# Altium PCB intPCB1.PcbDoc (part 2 of 3)
Units mil, origin at the board's own origin, x right, y up, seen from the top; angles counter-clockwise.
Board outline 10495 x 8000 mil, 4 copper layers (Top Layer, 5V, GND, Bottom Layer), stack 23.756 mil thick; 185 components, 89 nets, 720 pads, 479 vias.
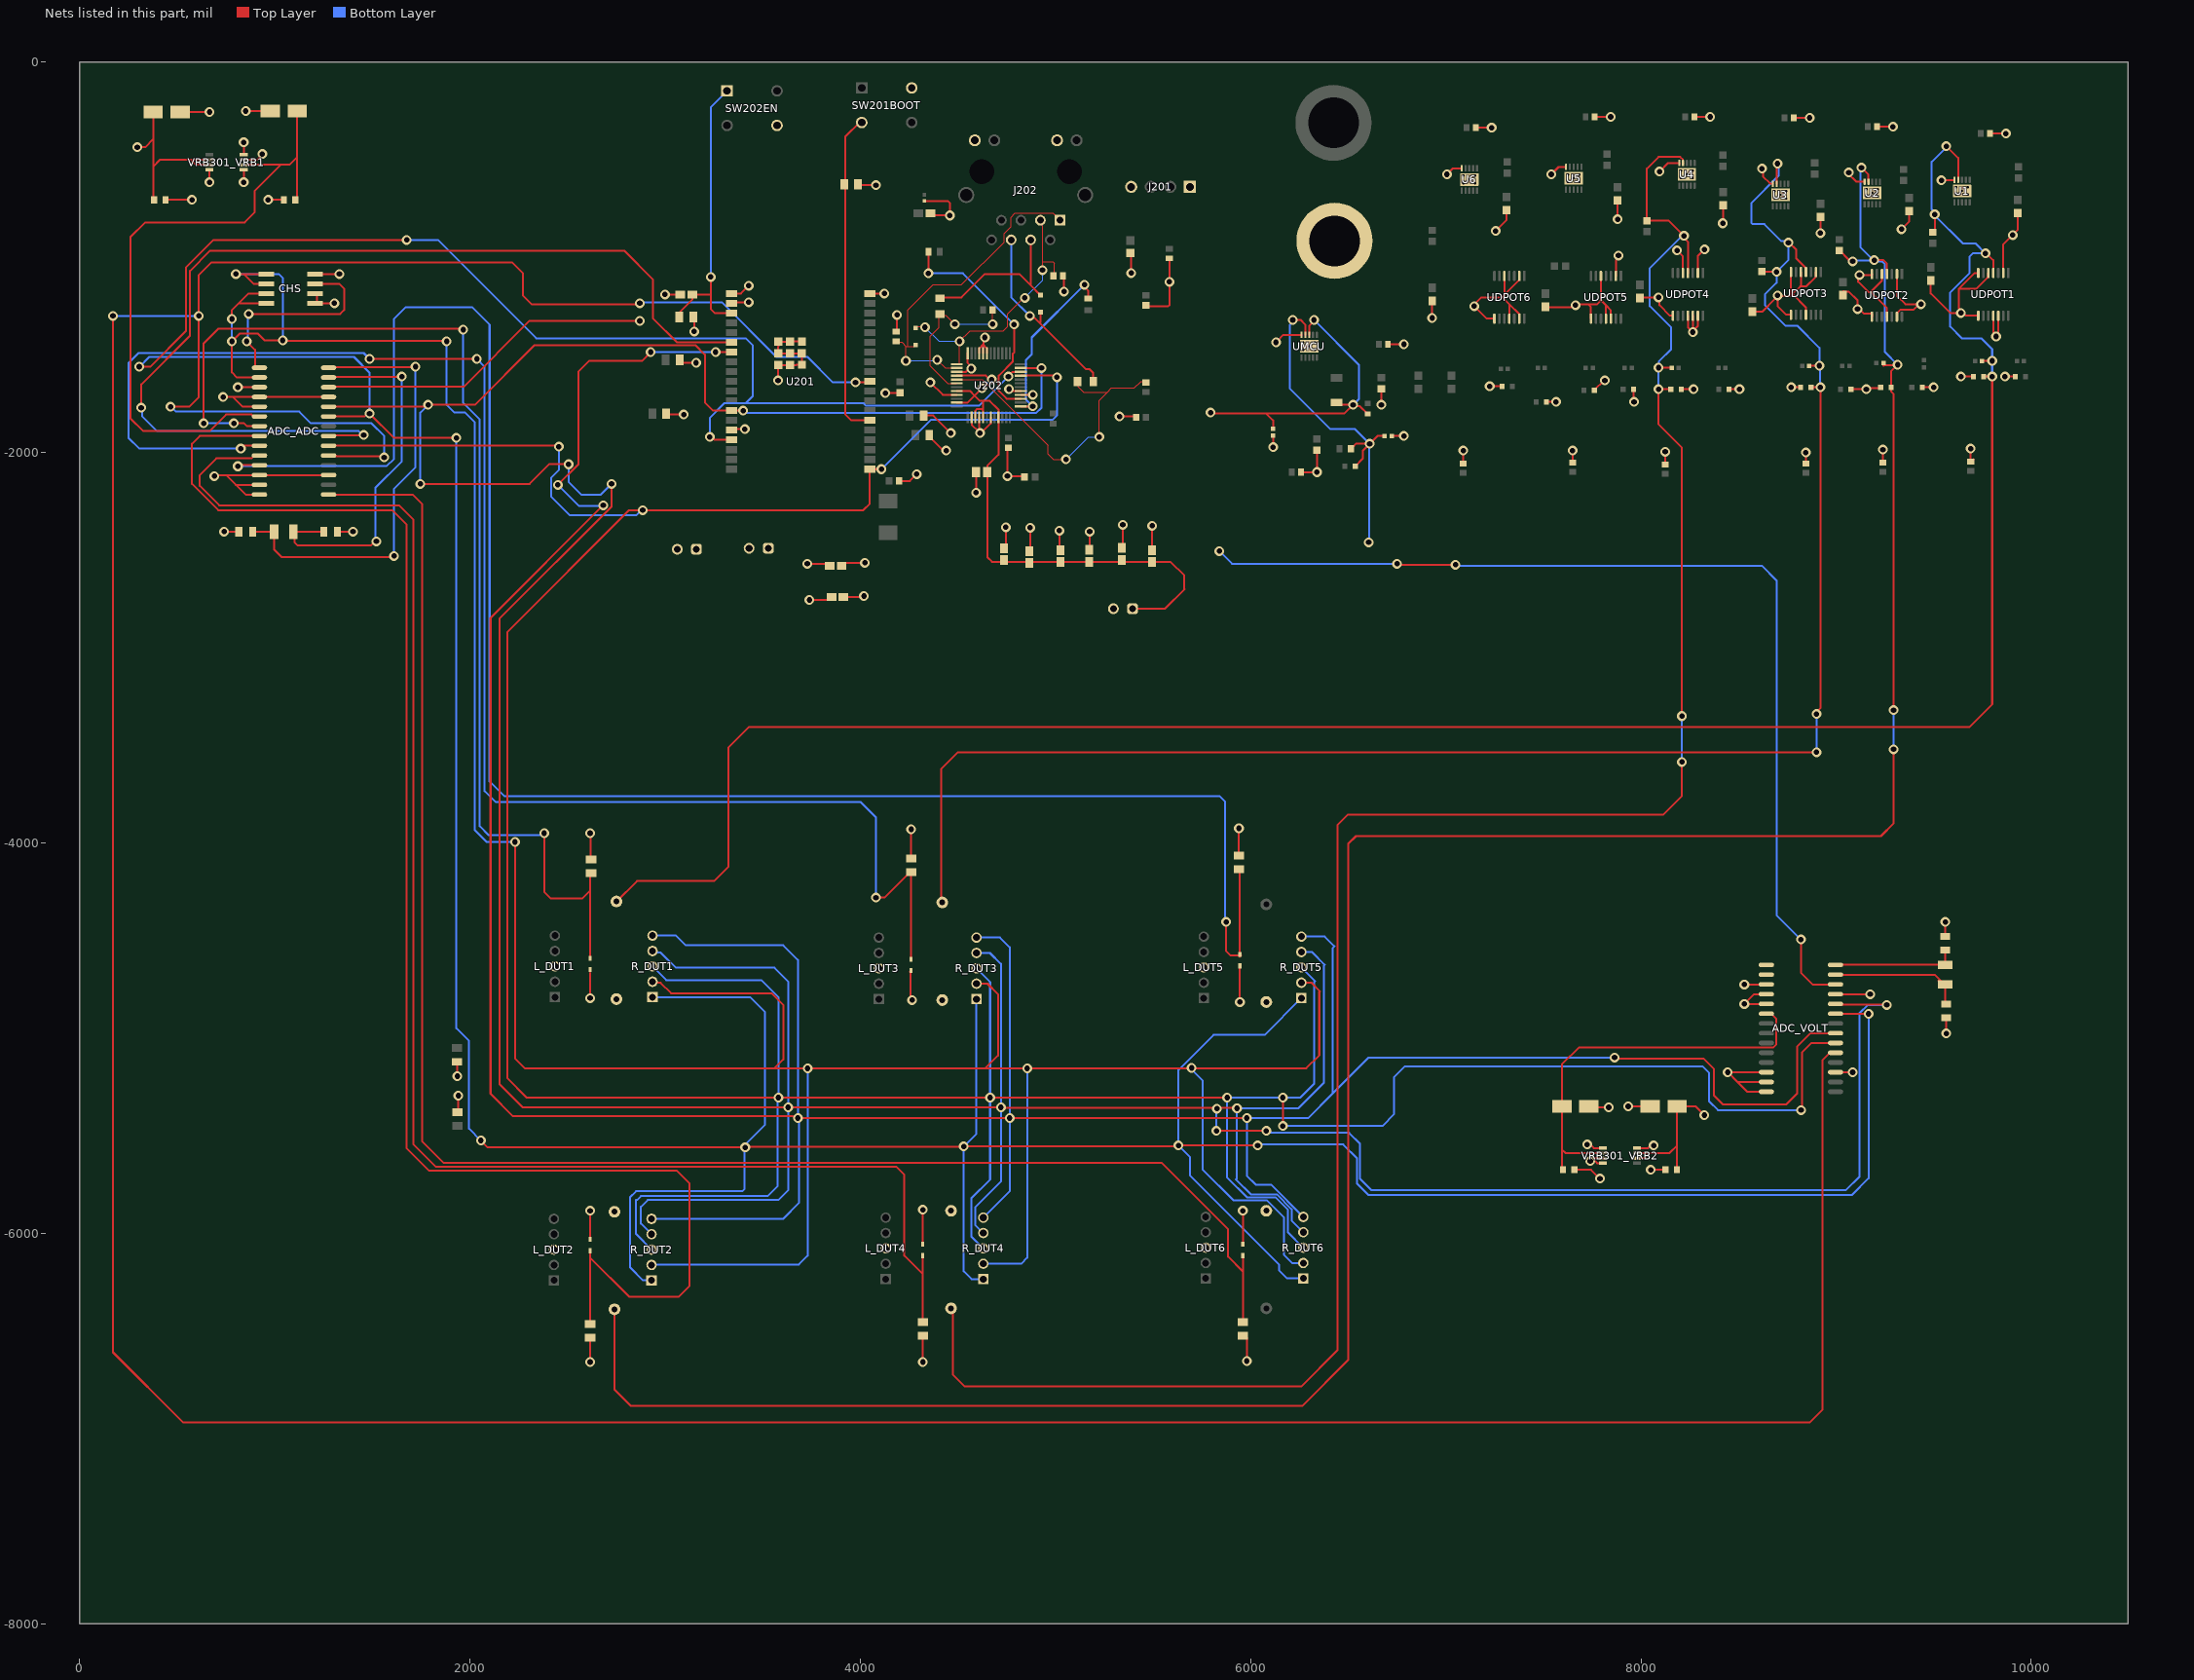
[diagram p4: the nets of this part, all layers, seen from the top]

## Via types
v1: diameter 50, hole 28, Top Layer to Bottom Layer, 444 vias
v2: diameter 19.68, hole 11.81, Top Layer to Bottom Layer, 35 vias

## Nets (pads, with @x,y where several pads share a name; then routed paths per layer and width w, separated by ;. In a path a pad name is that pad's centre, name@x,y a point inside that pad or via, vN(x,y) a via of type N, cw(c..) or ccw(c..) an arc to the next point about the centre after c; other vN are vias at no path point)
3V3: ADC_ADC.26 ADC_VOLT.26 C201.1 C202.1 C204.1 C206.1 Cfb7a.1 Cout7a.1 FB201.1 J201.4 J202.10 J202.12 R101.1 R201.2 R202.2 R203.2 R204.2 R210.1 R211.2 R212.2 U201.2 U202.28 U202.43 U202.44 U202.45 UMCU.3 | length 9907.7
  Top Layer w10: ADC_ADC.26@1275,-1665 1277.5,-1662.5 1967.5,-1662.5 2305,-1325 v1(2870,-1325) ; R202.2@3005.43,-1800 3010.43,-1805 v1(3095,-1805) ; R201.2@3073.77,-1525 3073.77,-1525.31 3088.46,-1540 v1(3158.34,-1540) ; R204.2@3143.34,-1305 3148.34,-1310 v1(3148.34,-1379) ; U201.2@3339.68,-1235 3344.68,-1230 v1(3428.34,-1230) ; v1(3728.34,-2570) 3832.75,-2570 C204.1@3842.75,-2580 ; v1(3738.34,-2755) 3794.57,-2755 3794.64,-2754.92 3837.24,-2754.92 C206.1@3852.16,-2740 ; R203.2@3988.34,-625 3993.34,-630 v1(4080,-630) ; R212.2@4183.34,-1380.39 4188.34,-1375.39 v1(4188.34,-1295) ; v1(4593.34,-2205) FB201.1@4593.34,-2100 ; U202.45@4609.13,-1490.43 4609.13,-1465.24 4628.81,-1445.55 ; U202.44@4628.81,-1490.43 4628.81,-1445.55 ; U202.43@4648.5,-1490.43 4648.5,-1465.24 4628.81,-1445.55 ; v1@4653.34,-1425 v1(4638.34,-1410) 4630.69,-1417.65 4630.69,-1443.68 4628.81,-1445.55 ; U202.28@4822.91,-1704.21 v1(4883.62,-1704.21) ; R211.2@5037.95,-1095 5043.34,-1100.39 v1(5043.34,-1175) ; R210.1@5383.34,-977.1 5388.34,-982.1 v1(5388.34,-1080) ; v1(5795,-1795) 5800,-1800 6480,-1800 v1(6525,-1755) ; 6080,-1800 6115,-1835 Cfb7a.1@6115,-1877.2 ; UMCU.3@6300,-1397.42 6300,-1351.57 6325,-1326.57 v1(6325,-1320) ; R101.1@6440,-1742.99 6452.01,-1755 v1(6525,-1755) ; Cout7a.1@6600,-1801.57 6599.02,-1801.57 6560.09,-1762.65 6532.65,-1762.65 v1(6525,-1755) ; v1(6750,-2570) 6755,-2575 v1(7050,-2575) ; v1(8820,-4495) 8820,-4665 8880,-4725 ADC_VOLT.26@8997.17,-4725
  Bottom Layer w10: v1(5840,-2505) 5905,-2570 v1(6750,-2570) ; v1(6325,-1320) 6555,-1550 6555,-1725 v1(6525,-1755) ; v1(7050,-2575) 7055,-2580 8620,-2580 8695,-2655 8695,-4370 v1(8820,-4495)
A5V0: ADC_ADC.3 ADC_VOLT.3 C303_VRB1.1 C303_VRB2.1 Cfb7b.1 CHS.8 Cout7b.1 PC301_VRB1.1 PC301_VRB2.1 R103.2 SCL_R.2 SDA_R.2 THERM1.1 THERM2.1 THERM3.1 THERM4.1 THERM5.1 THERM6.1 UMCU.4 VRB301_VRB1.2 VRB301_VRB1.3 VRB301_VRB2.2 VRB301_VRB2.3 | length 5083.9
  Top Layer w10: v1(295,-435) 335,-435 376.1,-393.9 ; PC301_VRB1.1@376.1,-255 376.1,-393.9 ; C303_VRB1.1@385.47,-705 376.1,-695.63 376.1,-535 ; VRB301_VRB1.3@665,-525 595.6,-525 570,-499.4 ; VRB301_VRB1.2@665,-499.4 570,-499.4 ; v1(810,-1665) ADC_ADC.3@920.67,-1665 ; CHS.8@1205,-1085 v1(1330,-1085) ; SCL_R.2@1930,-5125 1935,-5130 v1(1935,-5195) ; SDA_R.2@1935,-5379.57 1940,-5374.57 v1(1940,-5295) ; THERM5.1@2615,-6035 THERM5.1@2615,-6030.87 v1(2615,-5885) v1@2615,-5875 ; v1(2615,-4795) 2615,-4665 ; THERM4.1@4254.57,-4659.57 4257.22,-4662.22 4257.22,-4786.4 4265,-4794.18 v1(4265,-4805) ; THERM3.1@4320,-6045 v1(4320,-5880) ; v1@5945,-4825 v1(5945,-4815) THERM2.1@5945,-4630 ; THERM1.1@5960,-6049.87 v1(5960,-5885) ; v1(6215.67,-1320) 6255.58,-1320 6280.31,-1344.73 UMCU.4@6280.31,-1397.42 ; R103.2@6514.53,-1980 6514.53,-1976.06 6525.28,-1965.31 6529.21,-1965.31 6539.53,-1955 v1(6610,-1955) ; Cout7b.1@6539.07,-2067.5 Cout7b.1@6536.57,-2070 6536.57,-2069.02 6575,-2030.59 6575,-1990 v1(6610,-1955) ; Cfb7b.1@6687.2,-1915 6650,-1915 v1(6610,-1955) ; VRB301_VRB2.2@7980,-5615 8019.4,-5615 8045,-5589.4 ; VRB301_VRB2.3@7980,-5589.4 8045,-5589.4 ; C303_VRB2.1@8184.53,-5675 8185,-5674.53 8185,-5550 ; v1(8325,-5395) 8280,-5350 PC301_VRB2.1@8185,-5350 8185,-5550 ; v1(8530,-4725) ADC_VOLT.3@8642.83,-4725 ; 376.1,-535 411.7,-499.4 570,-499.4 ; 376.1,-535 376.1,-393.9 ; 8045,-5589.4 8145.6,-5589.4 8185,-5550
  Bottom Layer w10: v1(6215.67,-1320) 6215.67,-1330.82 6200,-1346.49 6200,-1670 6410,-1880 6535,-1880 v1(6610,-1955) 6607.5,-1957.5 6607.5,-2457.5 v1(6605,-2460)
ACTIVE: R208.1 U202.27 | length 1161.9
  Top Layer w10: v1(4348.34,-1081) R208.1@4348.34,-970 ; v1(4787.34,-1343) 4787.34,-1488.28 4782.12,-1493.5 4782.12,-1532.43 4709.34,-1605.21 4709.34,-1684 4749.24,-1723.9 U202.27@4822.91,-1723.9
  Bottom Layer w10: v1(4348.34,-1081) 4525.34,-1081 v1(4787.34,-1343)
Boot: R203.1 SW201BOOT.3 U201.25 | length 1690.5
  Top Layer w10: SW201BOOT.3@4021.84,-308.58 3996.02,-308.58 3922.44,-382.16 3922.44,-625 3922.44,-1804.1 3953.34,-1835 U201.25@4048.34,-1835
EN: C205.2 R204.1 SW202EN.1 U201.3 | length 1514.6
  Top Layer w10: R204.1@3072.91,-1315 3072.91,-1282.43 3138.93,-1216.41 C205.2@3138.93,-1190 3233.34,-1190 ; v1(3233.34,-1100) 3233.34,-1190 ; U201.3@3339.68,-1285 3253.34,-1285 3233.34,-1265 3233.34,-1190
  Bottom Layer w10: v1(3233.34,-1100) 3233.34,-230.12 SW202EN.1@3317.05,-146.42
ETH.RX_N: C219.1 R214.2 U202.5 | length 1633.1
  Top Layer w5: U202.5@4493.77,-1625.47 4625.81,-1625.47 4961.84,-1961.5 4961.84,-2008.5 4988.34,-2035 v1(5053.34,-2035) ; C219.1@5112.99,-1635 5116.66,-1638.67 5116.66,-1663.32 5143.69,-1690.35 5265.99,-1690.35 ; v1(5224.34,-1920) 5224.34,-1732 5265.99,-1690.35 ; R214.2@5463.34,-1635.39 5462.95,-1635 5438.34,-1635 5404.34,-1669 5287.34,-1669 5265.99,-1690.35
  Bottom Layer w5: v1(5053.34,-2035) 5168.34,-1920 v1(5224.34,-1920)
ETH.RX_P: C220.1 R213.2 U202.6 | length 817
  Top Layer w5: v1(4483.99,-1342) 4437.34,-1295.35 4403.34,-1295.35 4403.34,-1360 4358.34,-1405 4358.34,-1555 4448.5,-1645.16 U202.6@4493.77,-1645.16 ; v1(4677.95,-1342) R213.2@4677.95,-1270
  Bottom Layer w5: v1(4483.99,-1342) v1(4677.95,-1342)
ETH.TX_N: B201.2 J202.3 R211.1 U202.1 | length 1421.1
  Top Layer w5: B201.2@4283.34,-1361.69 4290.03,-1355 4306.67,-1355 4309.17,-1357.5 v1(4330.84,-1357.5) ; U202.1@4493.77,-1546.73 4505.33,-1546.73 4508.34,-1543.72 v1(4508.34,-1430) 4562.34,-1376 4733.34,-1376 4754.34,-1355 4754.34,-1290 4834.34,-1210 v1@4838.34,-1210 ; J202.3@4922.52,-809.84 4932.1,-819.43 4932.1,-836.59 4933.34,-837.83 4933.34,-1022.82 ; v1(4933.34,-1065) 4933.34,-1022.82 ; R211.1@4994.13,-1100 4994.13,-1030.79 4988.33,-1024.98 4986.16,-1022.82 4933.34,-1022.82
  Bottom Layer w5: v1(4330.84,-1357.5) 4330.84,-1358.85 4401.99,-1430 v1(4508.34,-1430) ; v1(4842.46,-1207.14) 4933.34,-1116.26 v1(4933.34,-1065)
ETH.TX_P: B201.1 J202.1 R212.1 U202.2 | length 1705.3
  Top Layer w5: R212.1@4183.34,-1435 4213.34,-1435 4233.34,-1455 ; v1(4233.34,-1530) 4233.34,-1455 ; B201.1@4283.34,-1448.31 4276.65,-1455 4243.34,-1455 ; v1(4393.34,-1525) 4434.76,-1566.42 U202.2@4493.77,-1566.42 ; J202.1@5022.52,-809.84 4985.67,-773 4793.34,-773 4772.34,-794 4772.34,-842 4737.34,-877 4737.34,-921.68 4519.02,-1140 4373.34,-1140 4243.34,-1270 4243.34,-1455 ; 4233.34,-1455 4243.34,-1455
  Bottom Layer w5: v1(4233.34,-1530) 4235.84,-1527.5 4390.84,-1527.5 v1(4393.34,-1525)
ETHA3V3: C203.1 C207.1 C208.1 C209.1 C210.1 C211.1 C212.1 FB201.2 U202.4 U202.8 U202.11 U202.15 U202.17 U202.21 | length 3039.6
  Top Layer w10: U202.11@4493.77,-1743.58 4494.29,-1744.09 4549.25,-1744.09 4585.84,-1707.5 ; U202.8@4493.77,-1684.53 4562.87,-1684.53 4585.84,-1707.5 ; U202.4@4493.77,-1605.79 4643.31,-1605.79 4662.52,-1625 v1(4673.34,-1625) ; U202.15@4589.44,-1819.57 4589.44,-1785 4598.13,-1776.31 4623.34,-1776.31 4628.81,-1781.79 ; v1(4623.34,-1670) 4585.84,-1707.5 ; U202.17@4628.81,-1819.57 4628.81,-1781.79 ; FB201.2@4650.48,-2100 4650.48,-2068 4707.55,-2010.93 U202.21@4707.55,-1819.57 4707.55,-1779.21 4663.34,-1735 4628.81,-1735 ; FB201.2@4652.14,-2100 4652.14,-2537.86 4674.28,-2560 5025,-2560 C210.1@5173.82,-2560 5194.96,-2560.2 ; 5195,-2560.2 5265,-2560.85 5300,-2561.18 C212.1@5494.41,-2561.18 ; C203.1@5395,-2800 5561.72,-2800 5660.86,-2700.86 5660,-2700 5660,-2630 5590.59,-2560.59 C212.1@5495,-2560.59 ; 4585.84,-1707.5 4613.34,-1735 4628.81,-1735 ; 4628.81,-1781.79 4628.81,-1735
  Bottom Layer w10: v1(4623.34,-1670) 4625.84,-1670 4670.84,-1625 v1(4673.34,-1625)
GND: ADC_ADC.4 ADC_ADC.5 ADC_ADC.12 ADC_ADC.13 ADC_ADC.14 ADC_ADC.17 ADC_ADC.25 ADC_VOLT.4 ADC_VOLT.5 ADC_VOLT.12 ADC_VOLT.13 ADC_VOLT.14 ADC_VOLT.17 ADC_VOLT.25 C111.2 C112.2 C113.2 C114.2 C115.2 C116.2 C121.2 C122.2 C123.2 C124.2 C125.2 C126.2 C201.2 C202.2 C203.2 C204.2 C205.1 C206.2 C207.2 C208.2 C209.2 C210.2 C211.2 C212.2 C213.2 C214.1 C215.1 C216.1 C217.1 C218.1 C221.2 C301_ADC.2 C301_VOLT.2 C302_ADC.1 C302_VOLT.1 C303_VRB1.2 C303_VRB2.2 C304_VRB1.1 C304_VRB2.1 Cfb7a.2 Cfb7b.2 CHS.5 CHS.6 Cin1.2 Cin2.2 Cin3.2 Cin4.2 Cin5.2 Cin6.2 Cin7.2 Cnr1.2 Cnr2.2 Cnr3.2 Cnr4.2 Cnr5.2 Cnr6.2 Cnr7.2 HEAT1.2 HEAT2.2 HEAT3.2 HEAT4.2 HEAT5.2 HEAT6.2 J201.1 JGND.1 L_DUT1.3 L_DUT2.3 L_DUT3.3 L_DUT4.3 L_DUT5.3 L_DUT6.3 PC301_VRB1.2 PC301_VRB2.2 PC302_VRB1.2 PC302_VRB2.2 R102.2 R104.2 R112.2 R114.2 R122.2 R124.2 R132.2 R134.2 R142.2 R144.2 R152.2 R154.2 R162.2 R164.2 R205.1 R206.1 R209.1 R215.1 R301.2 R302.2 R303.2 R304.2 R305.2 R306.2 SW201BOOT.2 SW202EN.4 U1.5 U1.11 U2.5 U2.11 U3.5 U3.11 U4.5 U4.11 U5.5 U5.11 U6.5 U6.11 U201.1 U201.15 U201.38 U201.39 U202.3 U202.9 U202.14 U202.16 U202.19 U202.29 U202.48 UDPOT1.2 UDPOT1.5 UDPOT1.7 UDPOT1.8 UDPOT1.11 UDPOT1.12 UDPOT2.2 UDPOT2.5 UDPOT2.7 UDPOT2.8 UDPOT2.11 UDPOT2.13 UDPOT3.2 UDPOT3.5 UDPOT3.7 UDPOT3.8 UDPOT3.11 UDPOT4.2 UDPOT4.5 UDPOT4.8 UDPOT4.11 UDPOT4.12 UDPOT4.13 UDPOT5.2 UDPOT5.5 UDPOT5.8 UDPOT5.11 UDPOT5.12 UDPOT6.2 UDPOT6.5 UDPOT6.8 UDPOT6.11 UDPOT6.13 UMCU.5 UMCU.11 VRB301_VRB1.4 VRB301_VRB1.5 VRB301_VRB1.7 VRB301_VRB1.8 VRB301_VRB2.4 VRB301_VRB2.5 VRB301_VRB2.7 VRB301_VRB2.8 | length 18452.3
  Top Layer w10: C303_VRB1.2@439.53,-705 v1(575,-705) ; PC301_VRB1.2@513.9,-255 v1(665,-255) ; v1(665,-615) VRB301_VRB1.4@665,-550.6 ; v1@680,-2115 750,-2115 ; v1(735,-1715) 785,-1715 ; v1(740,-2405) C302_ADC.1@815,-2405 ; v1(840,-615) VRB301_VRB1.5@840,-550.6 ; VRB301_VRB1.7@840,-499.4 910.6,-499.4 v1@945,-465 ; VRB301_VRB1.8@840,-473.8 v1(840,-410) ; v1(850,-250) PC302_VRB1.2@976.1,-250 ; ADC_ADC.14@920.67,-2215 850,-2215 800,-2165 ; ADC_ADC.13@920.67,-2165 800,-2165 ; ADC_ADC.5@920.67,-1765 835,-1765 785,-1715 ; v1(965,-705) C304_VRB1.1@1045.47,-705 ; CHS.5@1205,-1235 CHS.5@1215,-1235 ; CHS.6@1215,-1185 CHS.5@1215,-1235 ; ADC_ADC.17@1275,-2115 ADC_ADC.12@920.67,-2115 750,-2115 ; ADC_ADC.25@1275,-1715 ADC_ADC.4@920.67,-1715 785,-1715 ; v1(1305,-1235) CHS.5@1215,-1235 ; C301_ADC.2@1320,-2405 v1(1400,-2405) ; v1(2615,-6660) R302.2@2615,-6535.43 ; v1(2615,-3950) 2617.5,-3952.5 R301.2@2617.5,-4087.07 ; v1(2998.34,-1190) C205.1@3077.75,-1190 ; U201.15@3339.68,-1885 3344.68,-1880 v1(3408.34,-1880) ; U201.1@3339.68,-1185 3388.34,-1185 v1(3428.34,-1145) ; v1(3578.34,-1630) 3578.34,-1553.03 U201.39@3579.64,-1551.73 U201.39@3639.68,-1551.73 3669.61,-1551.73 3671.45,-1549.89 U201.39@3700.97,-1549.89 3700.97,-1521.63 3699.72,-1520.38 U201.39@3699.72,-1491.69 U201.39@3639.68,-1491.69 U201.39@3579.64,-1491.69 3579.34,-1491.69 3579.34,-1456.3 3579.64,-1456 U201.39@3579.64,-1431.65 U201.39@3639.68,-1431.65 3639.68,-1430 3700.32,-1430 U201.39@3700.97,-1430.65 ; C204.2@3903.93,-2580 3918.86,-2565.08 3964.24,-2565.08 3964.32,-2565 v1(4023.34,-2565) ; C206.2@3913.34,-2740 4013.34,-2740 v1(4018.34,-2735) ; U201.38@4048.34,-1185 v1(4122.87,-1185) ; v1(4128.34,-1695) 4201.51,-1695 R215.1@4203.34,-1693.17 ; C213.2@4198.34,-2145 4253.34,-2145 v1(4288.34,-2110) ; R303.2@4260,-4079.57 v1(4260,-3930) ; v1(4320,-6660) R304.2@4320,-6525.43 ; R206.1@4323.77,-1810 4373.34,-1810 v1(4463.34,-1900) ; R209.1@4328.34,-710.83 4448.32,-710.83 4458.34,-720.86 v1(4458.34,-785) 4368.34,-785 C221.2@4358.34,-775 ; R205.1@4353.34,-1910 4353.34,-1916.89 4418.8,-1982.35 4432.35,-1982.35 v1(4440,-1990) ; v1(4358.34,-1640) 4422.55,-1704.21 U202.9@4493.77,-1704.21 ; HEAT3.2@4410,-4815 HEAT3.2@4410,-4805 ; U202.3@4493.77,-1586.1 4541.42,-1586.1 4557.52,-1570 v1(4568.34,-1570) 4568.34,-1559.18 4550.07,-1540.91 U202.48@4550.07,-1490.43 ; U202.14@4569.76,-1819.57 4570.27,-1820.08 4570.27,-1856.93 4604.44,-1891.1 v1@4609.13,-1891.1 ; U202.16@4609.13,-1819.57 4609.64,-1820.08 4609.64,-1890.59 v1@4609.13,-1891.1 ; v1(4613.34,-1900) v1@4613.34,-1895.31 ; U202.19@4668.18,-1819.57 4667.67,-1820.08 4667.67,-1850.76 4627.33,-1891.1 4613.34,-1891.1 v1@4613.34,-1895.31 ; C208.2@4735,-2489.41 4745,-2479.41 v1(4745,-2382.75) v1@4745,-2379.41 ; C215.1@4758.34,-1974.64 4753.34,-1979.64 v1(4753.34,-2120) 4836.77,-2120 C216.1@4841.77,-2125 ; v1(4762.2,-1674.53) 4762.2,-1678.38 4768.34,-1684.53 U202.29@4822.91,-1684.53 ; C207.2@4865,-2504.41 4870,-2499.41 v1(4870,-2385) ; v1(5020,-2400) 5020,-2495 C209.2@5025,-2500 ; C210.2@5173.82,-2498.82 5175,-2497.64 v1(5175,-2405) ; v1(5328.34,-1815) 5408.7,-1815 C217.1@5413.7,-1820 ; C211.2@5340,-2488.82 5345,-2483.82 v1(5345,-2370) ; C214.1@5458.34,-1251.57 5576.77,-1251.57 5584.2,-1244.14 5584.2,-1194.24 5583.34,-1193.38 v1(5583.34,-1125) C218.1@5583.34,-1004.61 ; C212.2@5495,-2499.41 v1(5495,-2375) ; R305.2@5940,-4064.57 v1(5940,-3925) ; R306.2@5970,-6525.43 5980,-6535.43 v1(5980,-6655) ; v1@6113.85,-1973.35 v1(6115,-1972.2) ; v1@6115,-1952.2 Cfb7a.2@6115,-1912.8 ; v1@6136.38,-1428.62 6167.58,-1397.42 UMCU.5@6260.63,-1397.42 ; Cnr7.2@6258.62,-2100 v1(6340,-2100) R104.2@6340,-1988.62 ; v1(6670,-1755) R102.2@6670,-1673.62 ; Cin7.2@6703.62,-1445 v1(6785,-1445) ; Cfb7b.2@6722.8,-1915 v1@6775,-1915 ; v1(6930,-1310) 6930,-1223.37 R164.2@6930.59,-1222.78 ; v1@7005.59,-563.44 v1(7005.59,-574.27) 7036.59,-543.26 U6.5@7081.22,-543.26 ; Cnr6.2@7090,-2056.38 v1@7090,-2010 ; Cin6.2@7153.62,-335 v1(7235,-335) ; v1(7225,-1660) C126.2@7288.43,-1660 ; UDPOT6.8@7248.82,-1313.53 7209.86,-1313.53 v1(7145.59,-1249.27) 7145.59,-1240.84 7182.16,-1204.27 7290.59,-1204.27 ; v1(7255.59,-864.27) 7310.59,-809.27 R162.2@7310.59,-757.78 ; UDPOT6.5@7300,-1095 7300,-1191.75 ; UDPOT6.11@7325.59,-1313.53 7325.59,-1239.27 ; UDPOT6.13@7376.77,-1313.53 7376.12,-1312.88 7376.12,-1289.79 7325.59,-1239.27 ; UDPOT6.2@7376.77,-1095 7376.77,-1114.97 7300,-1191.75 ; R154.2@7510.59,-1252.78 7512.51,-1254.7 7644.48,-1254.7 7654.18,-1245 v1(7665,-1245) 7670.73,-1239.27 7728.09,-1239.27 ; C116.2@7516.57,-1740 v1(7565,-1740) ; v1@7531.08,-574.27 v1(7540.59,-574.27) ; v1@7532.94,-581.92 v1(7540.59,-574.27) ; U5.5@7616.22,-536.69 7578.17,-536.69 v1(7540.59,-574.27) ; Cnr5.2@7650,-2051.38 v1(7650,-1990) ; C304_VRB2.1@7659.53,-5675 7745,-5675 v1(7790,-5720) ; PC302_VRB2.2@7732.8,-5350 7737.8,-5355 v1@7825,-5355 ; v1@7735,-5540 7758.8,-5563.8 VRB301_VRB2.5@7805,-5563.8 ; UDPOT5.8@7743.82,-1313.53 7743.82,-1255 7728.09,-1239.27 ; C125.2@7761.57,-1680 7761.57,-1679.02 7810.59,-1630 v1(7815,-1630) ; Cin5.2@7764.42,-281.37 7765.79,-280 v1(7845,-280) ; UDPOT5.5@7795,-1095 7795,-1219.86 ; VRB301_VRB2.8@7805,-5640.6 7775.6,-5640.6 7750,-5615 VRB301_VRB2.7@7805,-5615 ; UDPOT5.11@7820.59,-1313.53 7820.59,-1245.45 ; UDPOT5.12@7846.18,-1313.53 7846.18,-1271.04 7820.59,-1245.45 ; UDPOT5.2@7871.77,-1095 7871.77,-1014.05 7885,-1000.82 v1(7885,-990) ; v1(7880.59,-804.27) R152.2@7880.59,-707.78 ; v1(7935,-5350) PC301_VRB2.2@8047.2,-5350 ; C115.2@7961.57,-1675 7963.29,-1676.71 7963.29,-1738.29 v1(7965,-1740) ; VRB301_VRB2.4@7980,-5563.8 8036.2,-5563.8 v1@8055,-5545 ; R144.2@7995.59,-1207.78 7998.37,-1205 v1(8090,-1205) 8095,-1210 8095,-1245 8147.97,-1297.97 8163.25,-1297.97 UDPOT4.8@8163.82,-1298.53 ; v1(8050,-5675) C303_VRB2.2@8125.47,-5675 ; v1(8095,-560) 8138.31,-516.69 8195.71,-516.69 U4.5@8195.71,-519.97 ; Cnr4.2@8125,-2061.38 v1@8125,-2015.73 ; v1(8185.59,-964.27) 8215,-993.68 UDPOT4.5@8215,-1080 ; C124.2@8206.57,-1675 v1(8270,-1675) ; UDPOT4.11@8240.59,-1298.53 8240.59,-1357.7 v1(8265.59,-1382.7) ; UDPOT4.12@8265.89,-1298.83 v1@8265.89,-1378.2 ; Cin3.2@8273.62,-280 v1(8355,-280) ; UDPOT4.13@8291.77,-1298.53 8291.77,-1352.31 v1@8265.89,-1378.2 ; UDPOT4.2@8291.77,-1080 8291.77,-993.09 v1(8325.59,-959.27) ; v1@8420.59,-804.27 R142.2@8420.59,-732.78 ; C114.2@8451.57,-1675 v1@8495,-1675 ; R134.2@8570.59,-1277.78 8622.22,-1277.78 v1@8690,-1210 ; v1(8620,-545) 8625.5,-550.5 8625.5,-585 8661.57,-621.07 U3.5@8675.71,-621.07 ; ADC_VOLT.14@8642.83,-5275 8545,-5275 8495,-5225 ; ADC_VOLT.13@8642.83,-5225 8495,-5225 ; ADC_VOLT.12@8642.83,-5175 v1(8445,-5175) 8495,-5225 ; ADC_VOLT.5@8642.83,-4825 v1(8530,-4825) 8580,-4775 ADC_VOLT.4@8642.83,-4775 ; UDPOT3.8@8768.82,-1293.53 8744.86,-1293.53 8700,-1248.68 8700,-1213.48 8696.52,-1210 v1@8690,-1210 ; UDPOT3.7@8768.82,-1075 8768.82,-1196.79 ; v1(8770,-1665) C123.2@8818.43,-1665 ; Cin4.2@8783.62,-285 v1(8865,-285) ; UDPOT3.5@8820,-1075 8820,-1149.27 ; Cnr3.2@8845,-2056.38 v1@8845,-2010.65 ; UDPOT3.11@8845.59,-1293.53 8845.59,-1255.59 8777.8,-1187.8 ; UDPOT3.2@8896.77,-1075 8896.12,-1075.65 8896.12,-1098.88 8845.73,-1149.27 8820,-1149.27 ; v1@8920.59,-864.27 R132.2@8920.59,-792.78 ; ADC_VOLT.17@8997.17,-5175 v1(9085,-5175) ; ADC_VOLT.25@8997.17,-4775 v1(9175,-4775) ; R124.2@9032.52,-1191.04 R124.2@9035,-1193.51 ; R124.2@9038.07,-1172.18 9040.55,-1174.66 9064.66,-1174.66 9110,-1220 v1(9110,-1265) 9119.45,-1265 9143.01,-1288.56 9182.24,-1288.56 9183.82,-1290.14 UDPOT2.8@9183.82,-1303.53 ; v1(9065,-565) 9065,-572.85 9103.84,-611.69 U2.5@9146.22,-611.69 ; C113.2@9076.57,-1672.5 9079.07,-1675 v1(9155,-1675) 9160,-1670 9223.43,-1670 C122.2@9228.43,-1665 ; 9179.86,-1175 9234.35,-1120.51 9234.35,-1086.96 UDPOT2.5@9235.65,-1085.65 ; UDPOT2.7@9183.82,-1085 9183.82,-1088.42 9182.24,-1090 v1(9120,-1090) 9113.61,-1096.39 9113.61,-1125.03 9166.25,-1177.68 9178.34,-1177.68 9260.59,-1259.93 UDPOT2.11@9260.59,-1303.53 ; Cin2.2@9215,-325 9215,-325.24 9219.76,-330 v1(9291.38,-330) ; Cnr2.2@9240,-2051.38 v1@9240,-2000 ; UDPOT2.13@9311.77,-1303.53 9311.77,-1284.48 9314.4,-1281.85 9315.44,-1281.85 9330.44,-1266.85 9398.15,-1266.85 v1@9425,-1240 ; UDPOT2.2@9311.77,-1085 9311.77,-1196.77 9355,-1240 v1@9425,-1240 ; v1(9335,-855) 9375.59,-814.41 R122.2@9375.59,-762.78 ; v1(9435,-1240) v1@9425,-1240 ; C112.2@9441.57,-1665 v1(9500,-1665) ; R114.2@9485.59,-1107.78 R114.2@9485.59,-1117.78 9485.59,-1184.27 9586.32,-1285 v1(9640,-1285) ; v1(9540,-605) 9541.66,-603.34 9605.71,-603.34 9606.22,-602.83 U1.5@9606.22,-601.69 ; C302_VOLT.1@9560,-4480 v1(9560,-4405) ; C301_VOLT.2@9565,-4895 9565,-4975 9565.16,-4975.16 v1(9565.16,-4976.56) ; v1@9655,-1610 C121.2@9703.43,-1610 ; v1@9690,-1995 Cnr1.2@9690,-2046.38 9692.95,-2046.38 9702.72,-2036.61 Cnr1.2@9702.72,-2033.66 ; UDPOT1.8@9728.82,-1298.53 9664.36,-1298.53 9650.82,-1285 v1(9640,-1285) ; UDPOT1.7@9728.82,-1080 9710,-1080 9630,-1160 ; UDPOT1.5@9780,-1080 9780,-1099.97 9719.97,-1160 9630,-1160 ; Cin1.2@9795.33,-365 v1(9870,-365) ; v1@9805.59,-1393.41 UDPOT1.11@9805.59,-1298.53 ; v1@9831.18,-1393.41 UDPOT1.12@9831.18,-1298.53 ; UDPOT1.2@9856.77,-1080 9856.77,-933.23 v1(9905,-885) 9930.59,-859.41 R112.2@9930.59,-772.78 ; v1(9865,-1610) C111.2@9918.43,-1610 ; 750,-2115 800,-2165 ; v1@4609.13,-1891.1 v1@4613.34,-1895.31 ; 7290.59,-1204.27 7290.59,-1201.15 7300,-1191.75 ; 7290.59,-1204.27 7325.59,-1239.27 ; 7728.09,-1239.27 7775.59,-1239.27 7795,-1219.86 ; 7795,-1219.86 7820.59,-1245.45 ; v1(8265.59,-1382.7) 8265.59,-1378.49 v1@8265.89,-1378.2 ; v1(8265.59,-1382.7) 8265.89,-1382.4 v1@8265.89,-1378.2 ; v1@8690,-1210 8700,-1200 v1(8700,-1195) 8701.79,-1196.79 8768.82,-1196.79 ; 8768.82,-1196.79 8777.8,-1187.8 ; 8777.8,-1187.8 8816.34,-1149.27 8820,-1149.27 ; 9630,-1160 9630,-1259.14 9632.35,-1261.49 9632.35,-1277.35 v1(9640,-1285)
  other v1: 7740,-5630 8065,-5550 7725,-5545 7835,-5355 690,-2120 8845,-2000 8124.41,-1995.73 7090,-1990 9240,-1985 9690,-1980 6785,-1915 8505,-1675 9640,-1610 6130,-1435 9820,-1405 8920,-875 8420,-825 935,-470
  other v2: 6270.47,-1474.69 6329.53,-1474.69 6300,-1455 6270.47,-1435.32 6329.53,-1435.32 8686.06,-698.95 8745.12,-698.95 9156.06,-688.95 9215.12,-688.95 8715.59,-679.27 9616.06,-678.95 9675.12,-678.95 9185.59,-669.27 8686.06,-659.58 8745.12,-659.58 9645.59,-659.27 9156.06,-649.58 9215.12,-649.58 9616.06,-639.58 9675.12,-639.58 7091.06,-620.53 7150.12,-620.53 7626.06,-613.95 7685.12,-613.95 7120.59,-600.84 7655.59,-594.27 8206.06,-593.95 8265.12,-593.95 7091.06,-581.16 7150.12,-581.16 7626.06,-574.58 7685.12,-574.58 8235.59,-574.27 8206.06,-554.58 8265.12,-554.58
LINK: R207.2 U202.25 | length 901.1
  Top Layer w10: U202.25@4822.91,-1763.27 4883.07,-1763.27 v1(4883.34,-1763) ; v1(5148.34,-1140) 5148.34,-1150.82 5168.34,-1170.82 R207.2@5168.34,-1210.47
  Bottom Layer w10: v1(4883.34,-1763) 4848.34,-1728 4848.34,-1526.28 4878.34,-1496.28 4878.34,-1410 v1(5148.34,-1140)
NetADC_ADC_1: ADC_ADC.1 CHS.7 | length 1081.6
  Top Layer w10: v1(855,-1430) 898.11,-1473.11 898.11,-1558.71 904.4,-1565 ADC_ADC.1@920.67,-1565 ; v1(865,-1290) 1335,-1290 1355,-1270 1355,-1160 1330,-1135 CHS.7@1215,-1135
  Bottom Layer w10: v1@850,-1435 v1(855,-1430) 860,-1425 860,-1295 v1(865,-1290)
NetADC_ADC_2: ADC_ADC.2 CHS.1 CHS.2 CHS.3 CHS.4 R_DUT1.2 R_DUT2.2 R_DUT3.2 R_DUT4.2 R_DUT5.2 R_DUT6.2 | length 17339.1
  Top Layer w10: v1(780,-1430) 820,-1390 912.09,-1390 947.09,-1425 v1(1040,-1425) 1042.5,-1427.5 1877.5,-1427.5 v1(1880,-1430) ; v1(780,-1315) 780,-1270 815,-1235 ; v1@790,-1430 779.14,-1440.86 779.14,-1589.14 805,-1615 ADC_ADC.2@920.67,-1615 ; v1(800,-1085) 840,-1085 ; CHS.3@955,-1185 865,-1185 815,-1235 ; CHS.2@955,-1135 890,-1135 840,-1085 ; CHS.1@955,-1085 840,-1085 ; CHS.4@965,-1235 CHS.4@955,-1235 815,-1235 ; v1(2230,-3995) 2230,-5105 2280,-5155 3560,-5155 ; R_DUT1.2@2935,-4711.26 2940.32,-4716.57 2976.57,-4716.57 3030,-4770 3545,-4770 3605,-4830 3605,-5110 3560,-5155 ; R_DUT3.2@4595,-4721.26 4651.26,-4721.26 4705,-4775 4705,-5090 4640,-5155 ; R_DUT5.2@6260,-4716.26 6311.26,-4716.26 6355,-4760 6351.73,-4763.27 6351.73,-5088.27 6285,-5155 v1(4855,-5155) 4640,-5155 ; 3560,-5155 v1(3730,-5155) 4640,-5155
  Bottom Layer w10: v1(780,-1430) v1(780,-1315) ; v1(800,-1085) 1020,-1085 1040,-1105 v1(1040,-1425) ; v1(1880,-1430) 1880,-1755 1920,-1795 1975,-1795 2025,-1845 2025,-3935 2085,-3995 v1(2230,-3995) ; R_DUT2.2@2930,-6162.48 2932.48,-6160 3685,-6160 3730,-6115 v1(3730,-5155) ; R_DUT4.2@4630,-6156.26 4823.74,-6156.26 4855,-6125 v1(4855,-5155) ; v1(5697.5,-5152.5) 5697.5,-5160.86 5755,-5218.36 5755,-5675 5911.24,-5831.24 6082.81,-5831.24 6170,-5918.43 6170,-6110 6212.48,-6152.48 R_DUT6.2@6270,-6152.48
NetADC_ADC_6: ADC_ADC.6 C304_VRB1.2 PC302_VRB1.1 VRB301_VRB1.6 | length 3391.5
  Top Layer w10: VRB301_VRB1.6@840,-525 1030,-525 ; ADC_ADC.6@920.67,-1815 890.44,-1815 880.44,-1805 750,-1805 665,-1890 325,-1890 260,-1825 260,-895 335,-820 845,-820 895,-770 895,-660 1030,-525 ; C304_VRB1.2@1109.53,-705 1113.9,-700.63 1113.9,-486.1 ; PC302_VRB1.1@1113.9,-250 1113.9,-486.1 ; 1030,-525 1075,-525 1113.9,-486.1
NetADC_ADC_7: ADC_ADC.7 R301.1 THERM6.2 | length 5989.5
  Top Layer w10: v1(635,-1850) 635,-1440 710,-1365 1960,-1365 v1(1965,-1370) ; v1(790,-1850) 841.45,-1850 856.45,-1865 ADC_ADC.7@920.67,-1865 ; v1(2380,-3950) 2380,-4250 2415,-4285 2575,-4285 2615,-4245 ; THERM6.2@2615,-4590 2615,-4245 ; R301.1@2615,-4160.43 2615,-4245
  Bottom Layer w10: v1(635,-1850) v1(790,-1850) ; v1(1965,-1370) 1965,-1745 2050,-1830 2050,-3915 2095,-3960 v1@2380,-3960
NetADC_ADC_8: ADC_ADC.8 R302.1 THERM5.2 | length 7989
  Top Layer w10: ADC_ADC.8@920.67,-1915 615,-1915 575,-1955 575,-2160 710,-2295 1600,-2295 1675,-2370 1675,-5565 1790,-5680 3060,-5680 3125,-5745 3125,-6270 3070,-6325 2815,-6325 2615,-6125 ; R302.1@2615,-6464.57 2615,-6125 ; THERM5.2@2615,-6090 2615,-6125
NetADC_ADC_9: ADC_ADC.9 R303.1 THERM4.2 | length 8284.4
  Top Layer w10: v1(825,-1980) 840,-1965 ADC_ADC.9@920.67,-1965 ; v1(1485,-1520) v1(2035,-1520) ; v1(4080,-4280) 4123.54,-4280 4253.11,-4150.43 R303.1@4260,-4150.43 THERM4.2@4260,-4595.87
  Bottom Layer w10: v1(825,-1980) 305,-1980 250,-1925 250,-1540 300,-1490 1455,-1490 v1(1485,-1520) ; v1(2035,-1520) 2075,-1560 2075,-3735 2130,-3790 4000,-3790 4080,-3870 v1(4080,-4280)
NetADC_ADC_10: ADC_ADC.10 R304.1 THERM3.2 | length 8239.8
  Top Layer w10: ADC_ADC.10@920.67,-2015 895.44,-2015 880.44,-2030 700,-2030 615,-2115 615,-2170 715,-2270 1635,-2270 1710,-2345 1710,-5545 1825,-5660 4185,-5660 4225,-5700 4225,-6115 4320,-6210 ; THERM3.2@4320,-6120 4320,-6210 ; R304.1@4325,-6459.57 R304.1@4320,-6454.57 4320,-6210
NetADC_ADC_11: ADC_ADC.11 R305.1 THERM2.2 | length 9645.3
  Top Layer w10: v1@810,-2065 ADC_ADC.11@920.67,-2065 ; v1(5875,-4405) 5875,-4555 5895.87,-4575.87 THERM2.2@5950,-4575.87 ; R305.1@5935,-4140.43 5945,-4150.43 5945,-4585
  Bottom Layer w10: v1(810,-2070) 1571.57,-2070 1610,-2031.57 1610,-1315 1670,-1255 2010,-1255 2100,-1345 2100,-3685 2175,-3760 5840,-3760 5870,-3790 5870,-4390 v1@5880,-4400
NetADC_ADC_15: ADC_ADC.15 R306.1 THERM1.2 | length 8666.4
  Top Layer w10: ADC_ADC.15@1275,-2215 1705,-2215 1755,-2265 1755,-5530 1865,-5640 5545.46,-5640 5885,-5979.54 5885,-6120.61 5960,-6195.61 ; THERM1.2@5960,-6121.38 5960,-6195.61 ; R306.1@5970,-6454.57 5960,-6444.57 5960,-6195.61
NetADC_ADC_19: ADC_ADC.19 ADC_VOLT.19 U201.29 | length 22715.4
  Top Layer w10: v1(170,-1300) 170,-6610 530,-6970 8865,-6970 8930,-6905 8930,-5114.61 8969.61,-5075 ADC_VOLT.19@8997.17,-5075 ; v1(465,-1765) 560,-1765 610,-1715 v1(610,-1300) 610,-1090 675,-1025 1590,-1025 1590.86,-1025.86 1599.14,-1025.86 1600,-1025 2215,-1025 2270,-1080 2270,-1195 2315,-1240 2865,-1240 v1(2870,-1235) ; ADC_ADC.19@1275,-2015 1277.61,-2017.61 1312.83,-2017.61 1315.23,-2020 1555,-2020 v1(1560,-2025) ; v1(3975,-1640) 4043.34,-1640 U201.29@4048.34,-1635
  Bottom Layer w10: v1(170,-1300) v1(610,-1300) ; v1@460,-1760 462.35,-1760 492.35,-1790 1125,-1790 1185,-1850 1495,-1850 1560,-1915 v1(1560,-2025) ; v1@2865,-1230 3290,-1230 3570,-1510 3730,-1510 3860,-1640 v1(3975,-1640)
NetADC_ADC_20: ADC_ADC.20 ADC_VOLT.20 R_DUT1.3 R_DUT2.3 R_DUT3.3 R_DUT4.3 R_DUT5.3 R_DUT6.3 U201.20 U202.33 | length 21846
  Top Layer w10: ADC_ADC.20@1275,-1965 v1@2465,-1965 ; v1(4108.34,-2085) U201.20@4048.34,-2085 4048.34,-2261.66 4015,-2295 v1(2885,-2295) 2815,-2295 2190,-2920 2190,-5205 2290,-5305 v1(3580,-5305) v1(4665,-5305) v1(5880,-5305) ; U202.33@4822.91,-1605.79 4999.13,-1605.79 v1(5007.34,-1614) ; v1(6165,-5450) v1(6165,-5305) ; v1(8820.7,-5369.23) 8825.77,-5369.23 8830,-5365 8825,-5360 8825,-5075 8875,-5025 ADC_VOLT.20@8997.17,-5025
  Bottom Layer w10: v1(2455,-1970) 2455,-2089.79 2415.25,-2129.54 2415.25,-2225.25 2510,-2320 2853.43,-2320 2878.43,-2295 v1(2885,-2295) ; R_DUT2.3@2930,-6083.74 2850,-6003.74 2850,-5830 2855,-5830 2875,-5810 3525,-5810 3575,-5760 3575,-5310 v1(3580,-5305) 3580,-4790 3492.52,-4702.52 3005,-4702.52 R_DUT1.3@2935,-4632.52 ; v1(4108.34,-2085) 4361.34,-1832 4985.34,-1832 5007.34,-1810 v1(5007.34,-1614) ; R_DUT3.3@4595,-4642.52 4665,-4712.52 v1(4665,-5305) 4665,-5725 4568.43,-5821.57 4568.43,-6015.94 R_DUT4.3@4630,-6077.52 ; v1(6165,-5450) 6675,-5450 6735.86,-5389.14 6735.86,-5385.86 6735,-5385 6735,-5200 6790,-5145 8315,-5145 8350,-5180 8350,-5325 8394.23,-5369.23 v1(8820.7,-5369.23) ; R_DUT5.3@6260,-4637.52 6330,-4707.52 6325,-4712.52 6325,-5235 6255,-5305 v1(6165,-5305) v1(5880,-5305) 5880,-5715 5981.24,-5816.24 6127.55,-5816.24 6190,-5878.69 6190,-5993.74 R_DUT6.3@6270,-6073.74
NetADC_ADC_21: ADC_ADC.21 U201.6 | length 5351.7
  Top Layer w10: v1(315,-1770) 315,-1650 565,-1400 565,-1068.79 668.79,-965 2790,-965 2938.34,-1113.34 2938.34,-1313 3060.34,-1435 U201.6@3339.68,-1435 ; ADC_ADC.21@1275,-1915 1277.5,-1912.5 1452.5,-1912.5 v1(1455,-1910)
  Bottom Layer w10: v1@305,-1760 v1(315,-1770) 319.99,-1774.99 319.99,-1814.99 395,-1890 1429.14,-1890 1449.14,-1910 v1(1455,-1910)
NetADC_ADC_23: ADC_ADC.23 ADC_VOLT.23 R_DUT1.1 R_DUT2.1 R_DUT3.1 R_DUT4.1 R_DUT5.1 R_DUT6.1 U201.16 U202.34 | length 26604
  Top Layer w10: v1(305,-1560) 360,-1560 545,-1375 545,-1050 685,-910 v1(1675,-910) ; ADC_ADC.23@1275,-1815 1459.18,-1815 1474.18,-1800 v1(1485,-1800) 1610,-1925 v1(1930,-1925) ; v1(2055.25,-5524.75) 2090.5,-5560 v1(3410,-5560) 3412.5,-5557.5 4527.5,-5557.5 v1(4530,-5555) 5625,-5555 v1(5630,-5550) v1(6036.14,-5550) ; v1(3228.34,-1920) 3239.16,-1920 3254.16,-1935 U201.16@3339.68,-1935 ; v1(4758.34,-1610) 4758.34,-1608.34 4780.57,-1586.1 U202.34@4822.91,-1586.1 ; ADC_VOLT.23@8997.17,-4875 9166.47,-4875 v1(9167.03,-4875.56)
  Bottom Layer w10: v1(305,-1560) 355,-1510 1405,-1510 1485,-1590 v1(1485,-1800) ; v1(1675,-910) 1835,-910 2339,-1414 3413.34,-1414 3448.34,-1449 3448.34,-1712 3413.34,-1747 ; v1@1930,-1915 v1(1930,-1925) 1930,-4950 1995,-5015 1995,-5464.5 v1(2055.25,-5524.75) ; R_DUT2.1@2930,-6241.22 2886.22,-6241.22 2820,-6175 2820,-5815 2850,-5785 3395,-5785 3405,-5775 3405,-5550 3510,-5445 3510,-4865 3435,-4790 R_DUT1.1@2935,-4790 ; v1(3228.34,-1920) 3228.34,-1822 3303.34,-1747 3413.34,-1747 ; R_DUT3.1@4595,-4800 4595,-5490 v1(4530,-5555) 4530,-6195 4570,-6235 R_DUT4.1@4630,-6235 ; v1(4758.34,-1610) 4608.34,-1760 4028.34,-1760 4015.34,-1747 3413.34,-1747 ; v1(6036.14,-5550) 6036.14,-5548.86 6040,-5545 6475,-5545 6545,-5615 6545,-5745 6605,-5805 9080,-5805 9167.03,-5717.97 v1(9167.03,-4875.56) ; R_DUT5.1@6260,-4795 6071.57,-4983.43 5810,-4983.43 5630,-5163.43 v1(5630,-5550) 5690,-5610 5690,-5705 6145,-6160 6145,-6190 6186.22,-6231.22 R_DUT6.1@6270,-6231.22
NetADC_ADC_24: ADC_ADC.24 ADC_VOLT.24 R_DUT1.4 R_DUT2.4 R_DUT3.4 R_DUT4.4 R_DUT5.4 R_DUT6.4 U201.13 U202.35 | length 24542.1
  Top Layer w10: ADC_ADC.24@1275,-1765 1764.18,-1765 1774.18,-1755 v1(1785,-1755) 2025,-1755 2330,-1450 3155,-1450 3203.34,-1498.34 3203.34,-1743.34 3245,-1785 U201.13@3339.68,-1785 v1(3399.34,-1785) ; v1(1745,-2160) 2305,-2160 2405,-2060 v1(2505,-2060) ; v1(2725,-2160) 2725,-2276.88 2150,-2851.88 2150,-5235 2270,-5355 v1(3630,-5355) v1(4720,-5355) 4722.5,-5357.5 5927.5,-5357.5 v1(5930,-5360) ; U202.35@4822.91,-1566.42 v1(4928.34,-1566.42) ; v1(5825,-5475) v1(6080,-5475) ; ADC_VOLT.24@8997.17,-4825 8999.67,-4827.5 9257.5,-4827.5 v1(9260,-4830)
  Bottom Layer w10: v1(1745,-2160) 1745,-1795 v1(1785,-1755) ; v1(2505,-2060) 2505,-2150 2570,-2215 2670,-2215 v1(2725,-2160) ; R_DUT2.4@2930,-6005 2875,-5950 2875,-5865 2910,-5830 3580,-5830 3630,-5780 v1(3630,-5355) 3630,-4710 3560,-4640 3055,-4640 2976.57,-4561.57 2942.8,-4561.57 R_DUT1.4@2935,-4553.78 ; v1(3399.34,-1785) 3412.34,-1798 4900.34,-1798 4928.34,-1770 v1(4928.34,-1566.42) ; R_DUT3.4@4595,-4563.78 4663.78,-4563.78 4720,-4620 v1(4720,-5355) 4720,-5735 4588.43,-5866.57 4588.43,-5957.2 R_DUT4.4@4630,-5998.78 ; v1(5825,-5475) 5825,-5364.3 v1(5827.65,-5361.65) ; v1(6080,-5475) 6087.65,-5482.65 6103.51,-5482.65 6105.86,-5485 6505,-5485 6560,-5540 6560,-5720 6620,-5780 9050,-5780 9120,-5710 9120,-4873.09 9163.09,-4830 v1(9260,-4830) ; R_DUT5.4@6260,-4558.78 6313.78,-4558.78 6380,-4625 6375,-4630 6375,-5230 6245,-5360 v1(5930,-5360) 5930,-5720 5925,-5725 6001.24,-5801.24 6133.76,-5801.24 6210,-5877.47 6210,-5935 R_DUT6.4@6270,-5995
NetADC_ADC_27: ADC_ADC.27 C301_ADC.1 XTAL301_ADC.2 | length 1927.7
  Top Layer w10: C301_ADC.1@1250,-2405 XTAL301_ADC.2@1094.21,-2405 1100,-2410.79 1100,-2460 1115,-2475 1493.43,-2475 1513.43,-2455 v1(1520,-2455) ; ADC_ADC.27@1275,-1615 1277.5,-1612.5 1647.5,-1612.5 v1(1650,-1610)
  Bottom Layer w10: v1(1520,-2455) 1515,-2450 1515,-2180 1650,-2045 v1(1650,-1610)
NetADC_ADC_28: ADC_ADC.28 C302_ADC.2 XTAL301_ADC.1 | length 2297.4
  Top Layer w10: C302_ADC.2@885,-2405 XTAL301_ADC.1@995.79,-2405 995.79,-2495.79 1035.86,-2535.86 1604.14,-2535.86 v1(1610,-2530) ; ADC_ADC.28@1275,-1565 1277.5,-1562.5 1717.5,-1562.5 v1(1720,-1560)
  Bottom Layer w10: v1(1610,-2530) 1610,-2185 1720,-2075 v1(1720,-1560)
NetADC_VOLT_1: ADC_VOLT.1
NetADC_VOLT_2: ADC_VOLT.2
NetADC_VOLT_6: ADC_VOLT.6 C304_VRB2.2 PC302_VRB2.1 VRB301_VRB2.6 | length 2092.8
  Top Layer w10: C304_VRB2.2@7600.47,-5675 7595,-5669.53 7595,-5570 ; VRB301_VRB2.6@7805,-5589.4 7614.4,-5589.4 7595,-5570 ; ADC_VOLT.6@8642.83,-4875 8666.71,-4875 8692.2,-4900.5 8692.2,-5034.03 8679.43,-5046.81 7683.19,-5046.81 7595,-5135 PC302_VRB2.1@7595,-5350 7595,-5570
NetADC_VOLT_21: ADC_VOLT.21 R_DUT1.5 R_DUT2.5 R_DUT3.5 R_DUT4.5 R_DUT5.5 R_DUT6.5 U201.7 | length 18610.6
  Top Layer w10: v1(2450.25,-2165.25) 2554.36,-2061.14 2554.36,-1585.64 2610,-1530 2880.34,-1530 v1(2925.34,-1485) ; v1(2682.39,-2270) 2105,-2847.39 2105,-5285 2220,-5400 3654.14,-5400 3656.49,-5402.35 3672.35,-5402.35 v1(3680,-5410) v1(4765,-5410) v1(5980,-5410) ; v1(3258.34,-1485) U201.7@3339.68,-1485 ; v1(7865,-5100) 7870,-5105 8320,-5105 8375,-5160 8375,-5295 8420,-5340 8745,-5340 8800,-5285 8800,-5045 8870,-4975 ADC_VOLT.21@8997.17,-4975
  Bottom Layer w10: v1(2450.25,-2165.25) 2557.5,-2272.5 2679.89,-2272.5 v1(2682.39,-2270) ; v1(2925.34,-1485) v1(3258.34,-1485) ; R_DUT2.5@2930,-5926.26 3603.74,-5926.26 3685,-5845 3685,-5415 v1(3680,-5410) 3680,-4600 3605,-4525 3105,-4525 3055.04,-4475.04 R_DUT1.5@2935,-4475.04 ; R_DUT3.5@4595,-4485.04 4715.04,-4485.04 4765,-4535 v1(4765,-5410) 4765,-5785.04 R_DUT4.5@4630,-5920.04 ; R_DUT5.5@6260,-4480.04 6380.04,-4480.04 6430,-4530 6420,-4540 6420,-5285 ; R_DUT6.5@6270,-5916.26 6105,-5751.26 6026.26,-5751.26 5980,-5705 v1(5980,-5410) 6295,-5410 6420,-5285 ; v1(7865,-5100) 6605,-5100 6420,-5285
NetADC_VOLT_27: ADC_VOLT.27 C301_VOLT.1 XTAL301_VOLT.2 | length 724.3
  Top Layer w10: ADC_VOLT.27@8997.17,-4675 9505,-4675 XTAL301_VOLT.2@9554.21,-4724.21 ; XTAL301_VOLT.2@9525.04,-4705 9544.25,-4724.21 XTAL301_VOLT.2@9554.21,-4724.21 ; XTAL301_VOLT.2@9555,-4725 XTAL301_VOLT.2@9554.21,-4724.21 ; C301_VOLT.1@9565,-4825 9560,-4820 XTAL301_VOLT.2@9560,-4724.21 XTAL301_VOLT.2@9554.21,-4724.21
NetADC_VOLT_28: ADC_VOLT.28 C302_VOLT.2 XTAL301_VOLT.1 | length 627.6
  Top Layer w10: ADC_VOLT.28@8997.17,-4625 XTAL301_VOLT.1@9525.04,-4625 ; XTAL301_VOLT.1@9550.02,-4620.02 9544.25,-4625.79 XTAL301_VOLT.1@9560,-4625.79 C302_VOLT.2@9560,-4550
NetB202_1: B202.1 C220.2 J202.5 | length 851.3
  Top Layer w10: C220.2@4403.34,-1214.65 4412.99,-1205 4518.34,-1205 4638.34,-1085 4814.96,-1085 4872.52,-1142.56 ; J202.5@4872.52,-909.84 4872.52,-1142.56 ; B202.1@4923.34,-1193.38 4872.52,-1142.56
NetB202_2: B202.2 C219.2 J202.7 | length 976.3
  Top Layer w10: v1(4868.34,-1300) 4879.16,-1300 4889.95,-1310.78 4894.13,-1310.78 4918.8,-1335.45 ; B202.2@4923.34,-1280 4923.34,-1330.91 4918.8,-1335.45 ; C219.2@5193.69,-1635 5193.69,-1592.35 5172.69,-1571.35 5154.69,-1571.35 4918.8,-1335.45
  Bottom Layer w10: J202.7@4772.52,-909.84 4772.52,-1204.17 v1(4868.34,-1300)
NetC121_1: C121.1 C141.1 HEAT1.1 R113.1 U1.4 UDPOT1.4 | length 11603.1
  Top Layer w10: HEAT1.1@2750,-4300 2855,-4195 3250,-4195 3325,-4120 3325,-3510 3430,-3405 9685,-3405 9800,-3290 v1(9800,-1610) ; R113.1@9495.59,-871.1 9505.59,-861.1 v1(9505.59,-779.27) v1@9508.87,-782.55 ; v1(9565,-430) 9565.5,-430 9625.91,-490.41 U1.4@9625.91,-601.69 ; C141.1@9747.8,-1530 v1@9775,-1530 ; C121.1@9756.57,-1610 v1@9790,-1610 ; v1(9765.59,-979.27) 9770.59,-979.27 9805.59,-1014.27 UDPOT1.4@9805.59,-1080
  Bottom Layer w10: v1@9505.59,-784.27 9649.01,-927.69 9714.01,-927.69 v1(9765.59,-979.27) 9700.73,-979.27 9685,-995 9685,-1080 9585,-1180 9585,-1355 9645,-1415 9745,-1415 9800,-1470 v1(9800,-1530) v1(9800,-1610) ; v1(9505.59,-779.27) 9505.59,-769 9490,-753.41 9490,-509.86 9565,-434.86 v1(9565,-430)
NetC122_1: C122.1 C142.1 HEAT2.1 R123.1 U2.4 UDPOT2.4 | length 13754.8
  Top Layer w10: HEAT2.1@2740,-6390 2740,-6800 2825,-6885 6265,-6885 6500,-6650 6500,-4005 6540,-3965 9230,-3965 9295,-3900 v1(9295,-3520) ; R123.1@9017.4,-965 9017.93,-965 9065.28,-1012.35 9077.35,-1012.35 v1(9085,-1020) ; v1(9130,-540) 9165.91,-575.91 U2.4@9165.91,-611.69 ; v1(9195.68,-1013.67) 9196.35,-1012.99 9240.68,-1012.99 9260.59,-1032.91 UDPOT2.4@9260.59,-1085 ; 9242.8,-1555 9245.3,-1552.5 v1@9312.5,-1552.5 ; v1(9295,-3320) 9295,-1699.68 9283.24,-1687.92 9283.24,-1666.66 C122.1@9281.57,-1665 9281.57,-1583.43 v1@9312.5,-1552.5 ; v1(9315,-1550) v1@9312.5,-1552.5
  Bottom Layer w10: v1(9085,-1020) 9088.17,-1016.83 9192.51,-1016.83 v1(9195.68,-1013.67) ; v1(9130,-540) 9125.59,-544.41 9125.59,-949.27 9180.59,-1004.27 9186.27,-1004.27 v1(9195.68,-1013.67) ; v1(9295,-3520) v1(9295,-3320) ; v1(9315,-1550) 9250,-1485 9250,-1035.25 9235.68,-1020.92 9202.93,-1020.92 v1(9195.68,-1013.67)
NetC123_1: C123.1 C143.1 HEAT3.1 R133.1 U3.4 UDPOT3.4 | length 9083.2
  Top Layer w10: HEAT3.1@4420,-4305 4415,-4300 4415,-3620 4500,-3535 v1(8900,-3535) ; R133.1@8620.59,-1072.43 8677.43,-1072.43 v1@8680.59,-1069.27 ; U3.4@8695.91,-621.69 8696.42,-621.18 8696.42,-523.44 v1(8700.59,-519.27) ; v1(8755.59,-924.27) 8760.59,-924.27 8795.59,-959.27 8795.59,-1005.03 8845.59,-1055.03 UDPOT3.4@8845.59,-1075 ; C143.1@8862.8,-1555 v1(8915,-1555) ; C123.1@8879.37,-1672.8 C123.1@8871.57,-1665 v1@8910,-1665 ; v1(8900,-3340) 8900,-3329.18 8920,-3309.18 v1(8920,-1665)
  Bottom Layer w10: v1(8700.59,-519.27) 8705.59,-524.27 8705.59,-581.77 8565.59,-721.77 8565.59,-823.41 8571.45,-829.27 8633.09,-829.27 8720.44,-916.61 8747.94,-916.61 v1(8755.59,-924.27) 8755.59,-1014.27 v1(8695.59,-1074.27) 8695.59,-1129.41 8635.59,-1189.41 8635.59,-1244.27 8740.59,-1349.27 8800.59,-1349.27 8915,-1463.68 v1(8915,-1555) 8917.5,-1557.5 8917.5,-1662.5 v1(8920,-1665) ; v1(8900,-3535) v1(8900,-3340)
NetC124_1: C124.1 C144.1 HEAT4.1 R143.1 U4.4 UDPOT4.4 | length 11079.3
  Top Layer w10: v1(8090,-1565) C144.1@8157.2,-1565 ; C124.1@8153.43,-1675 v1(8090,-1675) 8090,-1855 8210,-1975 v1@8210,-3345 ; v1@8205,-3345 v1(8210,-3350) ; v1(8210,-3585) 8210,-3760 8115,-3855 6500,-3855 6445,-3910 6445,-6600 6260,-6785 4535,-6785 4475,-6725 HEAT4.1@4475,-6395 ; U4.4@8215.91,-516.69 8215.39,-516.18 8215.39,-499.07 8201.32,-485 8090,-485 8030,-545 R143.1@8030,-811.83 8143.16,-811.83 v1(8220.59,-889.27) 8220.59,-900.09 8240.59,-920.09 UDPOT4.4@8240.59,-1080 ; HEAT4.1@4475,-6395 4475,-6385 HEAT4.1@4465,-6385 HEAT4.1@4475,-6395
  Bottom Layer w10: v1(8090,-1675) v1(8090,-1565) 8093.28,-1561.72 8093.28,-1531.72 8155,-1470 8155,-1360 8045,-1250 8045,-1055 8210.73,-889.27 v1(8220.59,-889.27) ; v1(8210,-3585) v1(8210,-3350)